# Allegro board A733_PRO2_AXP318_LPDDR4_4X_200BALL_32X1_V1_1.brd (continued)
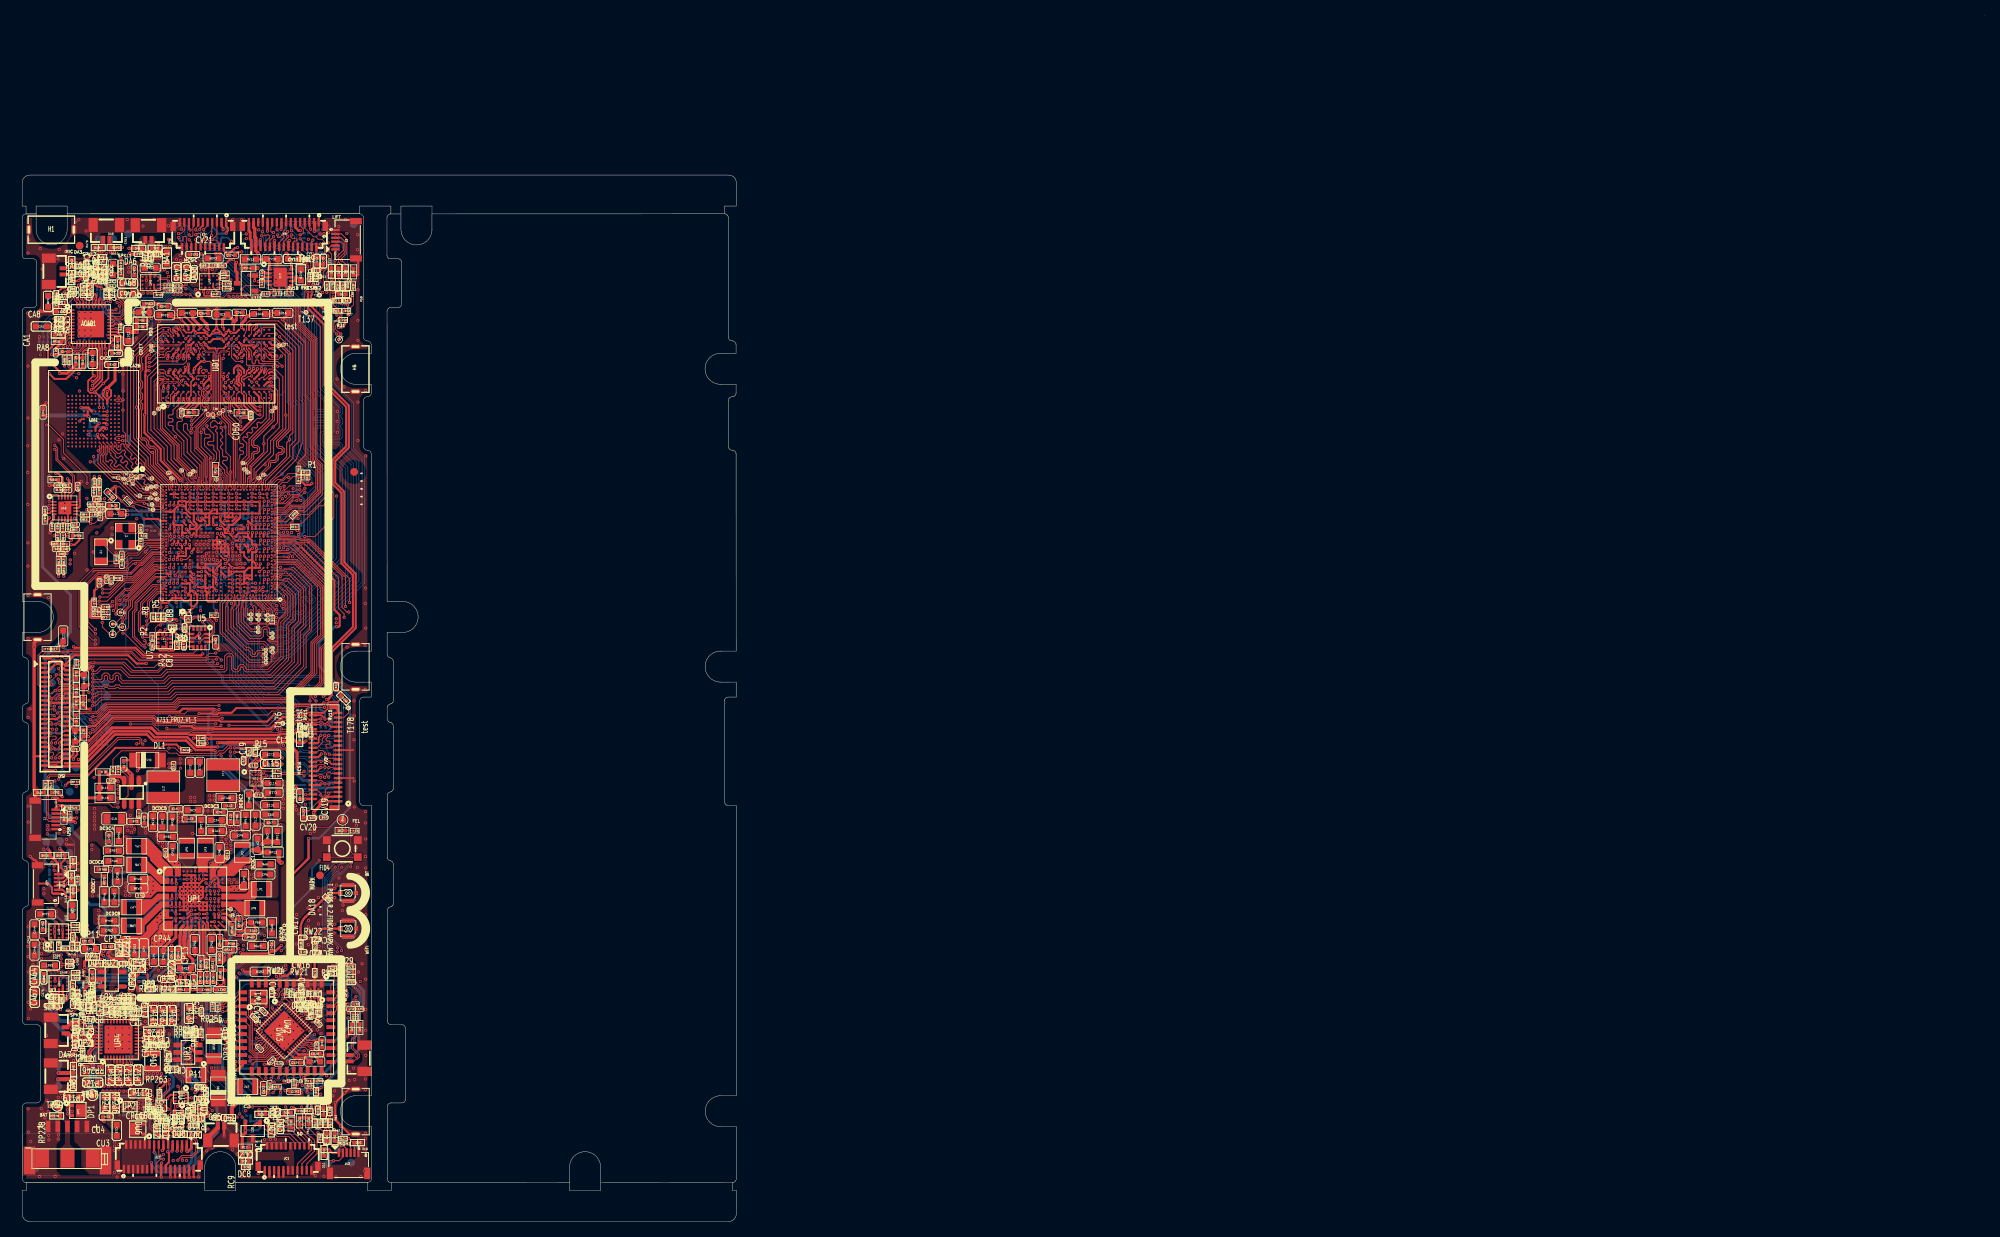
[diagram p0: board, top side]
## Routing (per net, layer and track width the routed paths; a pad name or vN(x,y) marks a point on that pad's centre or on a via; arc(x,y) is an arc through that point) (continued)
SDQ22: length 20.6
  TOP w0.076: 29.5,95.46 29.46,95.42 29.46,95.05 29.61,94.9 29.61,94.64 U1.AT9
  TOP w0.114: 29.5,95.46 29.89,95.85 29.89,97.08 32.02,99.21 32.02,100.69 33.6,102.27 33.6,108.98 32.61,109.97 31.85,109.97 31.53,109.65 31.53,109.35 31.09,108.91 30.89,108.91 30.63,108.65 UD1.Y4
SDQ23: length 21.8
  TOP w0.114: v1(28.63,92.45) 28.72,92.35 U1.1AC6 ; UD1.U4 29.13,108.99 v1(29.58,109.09)
  L4 w0.114: v1(29.58,109.09) 30.6,109.09 31.5,108.2 32.48,106.78 32.48,103.53 32.77,102.63 32.77,101.95 32.42,101.6 32.42,98.72 31.89,97.76 31,96.87 30.79,96.87 29.91,95.99 29.91,95.83 29.44,95.36 29.44,94.79 28.96,94.31 28.96,92.78 v1(28.63,92.45)
SDQ24: length 28.1
  TOP w0.114: U1.1AE4 30.02,93.46 v1(29.63,93.46) ; UD1.Y9 30.83,112.37 30.83,111.59 30.82,111.58 30.82,111.19 31.04,110.96 32.9,110.96 v1(33.52,110.34)
  L4 w0.076: v1(29.63,93.46) 29.97,93.8 29.97,94.15 30.61,94.79 30.61,95.26 30.88,95.53
  L4 w0.114: v1(33.52,110.34) 33.66,110.34 34.43,109.57 34.43,109.3 34.37,109.24 34.16,109.24 34.03,109.11 34.03,108.91 34.16,108.78 34.37,108.78 34.5,108.66 34.5,108.45 34.37,108.33 34.16,108.33 34.03,108.2 34.03,108 34.16,107.87 34.37,107.87 34.5,107.74 34.5,107.54 34.37,107.41 34.16,107.41 34.03,107.28 34.03,107.08 34.16,106.95 34.37,106.95 34.5,106.83 34.5,106.62 34.37,106.5 34.16,106.5 34.03,106.37 34.03,106.17 34.16,106.04 34.37,106.04 34.5,105.91 34.5,105.71 34.37,105.58 34.16,105.58 34.03,105.46 34.03,105.25 34.16,105.13 34.37,105.13 34.5,105 34.5,101.59 33.87,100.95 33.87,97.94 31.45,95.53 30.88,95.53
SDQ25: length 25.3
  TOP w0.114: UD1.V9 29.54,112.37 29.54,111.75 29.64,111.65 29.64,110.84 29.79,110.69 29.94,110.69 30.06,110.8 30.06,111.05 30.17,111.17 30.4,111.17 30.51,111.05 30.51,110.8 30.63,110.69 32.62,110.69 v1(32.96,110.34) ; v1(29.63,93.97) 29.74,93.85 U1.1AF4
  L4 w0.114: v1(29.63,93.97) 29.63,94.19 30.39,94.95 30.39,95.42 30.85,95.88 31.2,95.88 33.41,98.08 33.41,101.1 33.71,101.41 33.71,103.59 33.57,103.74 33.57,109.71 33.1,110.17 33.1,110.2 v1(32.96,110.34)
SDQ26: length 27.4
  TOP w0.114: U1.1AB6 28.71,91.85 v1(28.63,91.94) ; v1(32.39,110.33) 32.32,110.41 29.11,110.41 28.93,110.58 28.93,112.18 28.6,112.51 UD1.U9
  L4 w0.114: v1(32.39,110.33) 32.39,110.17 33.15,109.41 33.15,103.24 33.19,103.19 33.19,101.69 32.9,101.4 32.9,98.17 31.21,96.48 30.97,96.48 30.13,95.64 30.13,95.08 29.27,94.21 29.27,92.07 29.14,91.94 v1(28.63,91.94)
SDQ27: length 26.9
  TOP w0.114: UD1.AA9 31.34,112.52 31.43,112.52 31.79,112.16 32.33,112.16 v1(32.83,111.67) ; v1(29.62,92.41) 29.71,92.33 30.1,92.33 U1.1AC4
  L4 w0.114: v1(32.83,111.67) 33.08,111.41 33.08,111.28 33,111.2 32.47,111.2 32.35,111.08 32.35,110.86 32.44,110.77 33.82,110.77 35.07,109.52 35.07,100.58 34.32,99.83 34.32,97.8 31.26,94.74 30.92,94.74 30.25,94.07 30.25,93.04 v1(29.62,92.41)
SDQ28: length 29
  TOP w0.114: UD1.V11 29.56,114.57 29.56,115.28 30.14,115.86 32.75,115.86 35.69,112.91 35.69,100.66 34.92,99.88 34.92,98.49 31.66,95.22 31.66,94.68 U1.AT4
SDQ29: length 26.1
  TOP w0.114: UD1.Y11 30.89,114.59 30.89,115.16 31.11,115.38 32.57,115.38 35.28,112.68 35.28,100.85 34.5,100.07 34.5,98.69 31.37,95.56 U1.AU4
SDQ30: length 27.2
  TOP w0.114: v1(30.63,93.46) 30.73,93.35 U1.1AE2 ; UD1.AA11 31.52,114.57 32.67,114.57 v1(32.74,114.51)
  L4 w0.114: v1(32.74,114.51) 32.74,113.91 35.96,110.69 35.96,99.9 35.22,99.16 35.22,97.51 33.93,96.21 33.92,96.21 31.91,94.2 31.37,94.2 v1(30.63,93.46)
SDQ31: length 30.7
  TOP w0.114: U1.AT3 31.91,94.78 31.91,95.11 32.71,95.91 33.27,96.25 35.31,98.29 36.11,100.43 36.11,113.15 33.06,116.2 29.36,116.2 29.23,116.16 28.93,115.86 28.93,115 UD1.U11
SDQM0: length 26.5
  TOP w0.114: UD1.C10 19.5,113.87 19.18,114.19 19.18,114.41 18.8,114.78 17.95,114.78 17.2,114.39 14.38,111.57 14.38,101.04 16.54,98.88 16.54,97.65 19.09,95.1 19.09,94.68 U1.AT34
SDQM1: length 17
  TOP w0.102: v1(19.77,107.44) 19.74,107.47 19.74,107.61 UD1.C3
  TOP w0.114: U1.1AF20 21.76,93.85 v1(21.63,93.99)
  L4 w0.114: v1(21.63,93.99) 21.63,94.26 20.82,95.06 20.82,96.27 17.87,99.21 17.87,105.72 19.59,107.44 v1(19.77,107.44)
SDQM2: length 19.1
  TOP w0.114: UD1.Y3 30.24,108.17 v1(30.24,108.3) ; U1.1AC8 27.72,92.35 v1(27.63,92.45)
  L4 w0.114: v1(30.24,108.3) 30.59,107.95 30.59,106.9 31.56,105.92 31.56,102.16 31.57,102.15 31.57,99.02 29.27,96.72 29.27,96.5 28.88,96.11 28.88,95.05 28.31,94.47 28.31,93.72 28,93.41 28,92.82 v1(27.63,92.45)
SDQM3: length 26
  TOP w0.114: v1(30.63,93.97) 30.74,93.85 U1.1AF2 ; v1(33.42,111.66) 33,111.24 31.9,111.24 31.47,111.68 31.47,112.01 30.82,112.66 30.82,113.19 UD1.Y10
  L4 w0.114: v1(30.63,93.97) 31.16,94.5 31.62,94.5 34.8,97.69 34.8,99.45 35.54,100.19 35.54,109.77 33.93,111.38 33.7,111.38 v1(33.42,111.66)
SDQS0N: length 27.1
  TOP w0.076: UD1.E10 20.63,113.45 20.55,113.38 20.55,113.24 20.28,112.97 17.32,112.97 17.27,112.91 17.25,112.91 ; 19.94,95.38 19.95,95.37 19.95,95.3 20.33,94.92 20.33,94.65 U1.AT31
  TOP w0.127: 16.6,112.44 17.07,112.91 17.25,112.91 ; 16.6,112.44 T14.1 ; 16.6,112.44 16.5,112.34 16.26,112.34 15.39,111.47 15.39,110.81 15.55,110.65 15.55,109.92 15.29,109.65 15.29,108.53 15.53,108.29 15.53,107.63 15.29,107.39 15.29,107.01 15.53,106.77 15.53,106.11 15.29,105.86 15.29,105.71 15.54,105.46 15.54,104.82 15.39,104.67 15.39,101.23 15.53,101.09 15.88,101.09 16.31,100.66 16.31,100.28 16.57,100.02 17.01,100.02 17.47,99.57 17.47,97.84 18.78,96.53 ; T11.1 18.78,96.53 ; 18.78,96.53 18.98,96.33 19.27,96.33 19.9,95.7 19.9,95.41 19.94,95.38
SDQS0P: length 27.3
  TOP w0.076: 17.25,113.17 17.27,113.17 17.32,113.12 20.22,113.12 20.4,113.3 20.4,113.38 20.32,113.45 UD1.D10 ; 19.76,95.2 19.77,95.19 19.84,95.19 20.17,94.86 U1.AT32
  TOP w0.127: T15.1 19.28,95.95 19.3,95.95 ; 19.3,95.95 19.65,95.59 19.65,95.31 19.76,95.2 ; 19.3,95.95 19.17,96.07 18.88,96.07 17.22,97.73 17.22,99.46 16.91,99.77 16.46,99.77 16.06,100.17 16.06,100.55 15.78,100.84 15.42,100.84 15.13,101.13 15.13,104.78 15.29,104.93 15.29,105.35 15.03,105.61 15.03,105.97 15.27,106.21 15.27,106.66 15.03,106.9 15.03,107.49 15.27,107.74 15.27,108.18 15.03,108.43 15.03,109.76 15.3,110.02 15.3,110.54 15.13,110.7 15.13,111.57 16.16,112.6 16.39,112.6 16.69,112.9 ; T18.1 16.69,112.9 ; 16.69,112.9 16.96,113.17 17.25,113.17
SDQS1N: length 19
  TOP w0.076: 17.48,107.46 17.48,107.48 17.53,107.53 17.53,107.85 18.04,108.35 20.16,108.35 20.56,107.96 UD1.E3 ; 21.7,96.21 21.7,96.19 21.75,96.14 21.75,95.87 22.27,95.35 22.27,94.9 U1.AU27
  TOP w0.127: T9.1 17.68,104.93 ; 17.68,104.93 17.83,104.78 17.83,102.27 19.97,100.12 19.97,98.41 21.7,96.68 21.7,96.42 ; 17.68,104.93 17.48,105.13 17.48,107.46 ; 21.7,96.21 21.7,96.42 ; 21.7,96.42 T12.1
SDQS1P: length 19
  TOP w0.076: U1.AT27 22.42,94.65 22.42,95.41 21.9,95.94 21.9,96.14 21.95,96.19 21.95,96.21 ; 17.74,107.46 17.74,107.48 17.69,107.53 17.69,107.78 18.1,108.2 18.22,108.2 18.32,108.11 18.53,108.11 18.62,108.2 18.83,108.2 18.93,108.11 19.14,108.11 19.23,108.2 19.44,108.2 19.53,108.11 19.75,108.11 19.84,108.2 20.1,108.2 20.26,108.03 20.26,107.97 UD1.D3
  TOP w0.127: 21.95,96.79 21.97,96.77 T16.1 ; 21.95,96.79 21.95,96.21 ; 21.95,96.79 20.23,98.51 20.23,100.23 18.08,102.37 18.08,104.89 17.94,105.03 ; 17.74,107.46 17.74,105.23 17.94,105.03 ; T13.1 17.94,105.03
SDQS2N: length 19.1
  TOP w0.076: UD1.V3 29.3,107.85 29.58,107.58 29.58,107.53 29.73,107.38 31.92,107.38 32.22,107.08 32.37,107.08 32.44,107 32.44,106.89 32.39,106.84 32.39,106.82 ; 28.53,95.41 28.53,95.39 28.58,95.34 28.58,94.41 U1.AT11
  TOP w0.127: 28.53,95.41 28.53,96.73 28.75,96.95 ; 32.27,104.56 32.27,105.65 32.39,105.78 32.39,106.82 ; 32.27,104.56 32.27,103.5 29.6,100.83 29.6,100.14 29.87,99.86 30.22,99.86 30.35,99.74 30.35,99.48 30.22,99.35 29.87,99.35 29.6,99.08 29.6,98.55 28.82,97.78 28.82,97.02 28.75,96.95 ; 32.27,104.56 32.26,104.56 T4.1 ; T23.1 28.75,96.95
SDQS2P: length 19.2
  TOP w0.076: U1.AT10 28.74,94.64 28.74,95.34 28.79,95.39 28.79,95.41 ; UD1.W3 29.84,107.85 29.73,107.75 29.73,107.59 29.79,107.53 31.99,107.53 32.28,107.23 32.43,107.23 32.6,107.07 32.6,106.89 32.65,106.84 32.65,106.82
  TOP w0.127: 28.94,96.78 29.08,96.91 29.08,97.67 29.85,98.45 29.85,98.97 29.98,99.1 30.33,99.1 30.6,99.38 30.6,99.84 30.33,100.12 29.98,100.12 29.85,100.24 29.85,100.72 32.52,103.39 32.52,104.99 ; 28.94,96.78 29.06,96.66 T40.1 ; 28.94,96.78 28.79,96.62 28.79,95.41 ; 32.52,104.99 32.52,105.55 32.65,105.68 32.65,106.82 ; 32.52,104.99 32.53,105 T6.1
SDQS3N: length 27
  TOP w0.076: UD1.V10 29.25,113.45 29.71,113.91 32.05,113.91 32.1,113.96 32.12,113.96 ; U1.AU7 30.17,94.93 30.46,95.21 30.53,95.21 30.55,95.23
  TOP w0.127: 31.01,96.42 30.84,96.25 30.84,95.52 30.55,95.23 ; 31.01,96.42 T24.1 ; 31.01,96.42 32.02,97.43 32.02,97.83 32.13,97.94 32.67,97.94 33.01,98.28 33.01,98.82 33.17,98.98 33.5,98.98 33.78,99.25 33.78,99.72 33.5,99.99 33.17,99.99 33.04,100.12 33.04,100.57 34.63,102.15 34.63,112 33.58,113.05 ; 33.58,113.05 33.65,113.12 T21.1 ; 33.58,113.05 32.67,113.96 32.12,113.96
SDQS3P: length 27
  TOP w0.076: UD1.W10 29.87,113.42 29.67,113.42 29.6,113.49 29.6,113.58 29.77,113.76 32.05,113.76 32.1,113.71 32.12,113.71 ; 30.37,95.41 30.36,95.39 30.36,95.32 29.94,94.9 29.94,94.64 U1.AT7
  TOP w0.127: 33.17,113.1 33.1,113.02 T25.1 ; 33.17,113.1 34.37,111.9 34.37,102.26 32.79,100.67 32.79,100.01 33.06,99.74 33.4,99.74 33.52,99.61 33.52,99.36 33.4,99.23 33.06,99.23 32.76,98.93 32.76,98.39 32.56,98.19 32.02,98.19 31.77,97.94 31.77,97.53 30.59,96.35 30.59,95.92 ; 33.17,113.1 32.56,113.71 32.12,113.71 ; 30.59,95.92 T37.1 ; 30.59,95.92 30.59,95.63 30.37,95.41
SPKL1+: length 33.6
  TOP w0.381: CA95.1 v1(9.96,96.1)
  L3 w0.508: v1(16.59,125.11) 16.56,125.07 16.56,124.94 16.56,124.94 16.56,123.66 15.05,122.15 15.05,121.51 14.26,120.73 14.26,118.05 13.83,117.62 13.83,113.35 11.97,111.49 11.97,108.51 12.24,108.24 12.24,101.7 11.44,100.9 11.44,98.81 9.96,97.32 v1(9.96,96.1)
  BOTTOM w0.305: TP21.1 16.63,125.14 v1(16.59,125.11)
SPKL1-: length 34
  TOP w0.381: CA98.1 v1(9.31,96.1)
  L3 w0.508: v1(9.31,96.1) 9.31,97.67 10.72,99.08 10.72,101.15 11.54,101.97 11.54,108.06 11.34,108.26 11.34,111.81 13.22,113.69 13.22,118.08 13.63,118.5 13.63,121.06 14.36,121.78 14.36,123.79 15.77,125.2 v1(15.95,125.2)
  BOTTOM w0.305: v1(15.95,125.2) 15.36,125.78 TP23.1
SPKL2+: length 1.3
  BOTTOM w0.305: 11.45,125.58 11.45,126.53 TP26.1
  vias: v1(11.4,125.08) v1(11.91,125.07)
SPKL2-: length 1.4
  BOTTOM w0.305: 10.36,125.55 10.36,126.28 TP28.1
  vias: v1(9.75,125.03) v1(10.26,125.13)
SPKR1+: length 70.7
  TOP w0.305: CA85.1 5.36,83.26 v1(5.37,83.24)
  TOP w0.508: v1(4.68,19.16) JA4.1 6.56,19.16 DA7.2
  L4 w0.381: v1(4.68,19.16) 4.68,25.23 2.5,27.41 v1(2.5,33.91) 2.68,33.91 3.01,34.24 3.01,36.74 2.28,37.46 2.28,73.26 5.46,76.44 5.46,80.79 5.37,80.88 v1(5.37,83.24)
  BOTTOM w0.508: TP22.1 4.71,19.19 v1(4.68,19.16)
SPKR1-: length 71.6
  TOP w0.305: CA88.1 v1(4.7,83.26)
  TOP w0.508: DA8.2 6.44,18.36 JA4.2 v1(4.62,18.36)
  L4 w0.381: v1(4.62,18.36) 4.18,18.8 4.18,25.02 2,27.2 2,34.33 2.22,34.54 v1(2.5,34.54) 1.8,35.24 1.8,73.46 4.95,76.62 4.95,80.62 4.7,80.87 v1(4.7,83.26)
  BOTTOM w0.508: TP24.1 4.66,18.32 v1(4.62,18.36)
SPKR2+: length 7.7
  TOP w0.305: RA52.2 4.4,27.93 4.39,27.93 CA76.1 4.39,27.38 v1(4.38,27.37)
  TOP w0.508: v1(7.55,25.68) DA11.2 6.38,25.68 5.76,25.06 JA6.1
  BOTTOM w0.508: v1(7.55,25.68) 7.36,25.87 TP25.1 4.99,25.87 4.38,26.48 v1(4.38,27.37)
SPKR2-: length 9.6
  TOP w0.305: v1(3.74,27.37) 3.75,27.38 CA75.1 3.75,28.43 3.75,28.44 RA56.2
  TOP w0.508: v1(7.64,23.73) DA12.2 6.47,23.73 5.94,24.26 JA6.2
  BOTTOM w0.508: v1(3.74,27.37) 3.76,27.35 3.76,26.05 6.16,23.66 TP27.1 7.57,23.66 v1(7.64,23.73)
SPOLN: length 34.3
  TOP w0.102: UA1.12 7.46,112.82 7.26,112.61 6.55,112.61 6.17,112.99 6.17,113.01 6.09,113.09 v1(6.09,113.36)
  TOP w0.114: CA70.2 20.92,120.76 v1(21.12,120.96)
  BOTTOM w0.114: CA47.2 24.61,119.26 22.82,119.26 21.45,120.63 21.45,120.63 v1(21.12,120.96) 20.92,120.76 19.62,120.76 18.08,119.23 13.99,119.23 9.99,123.23 8.02,123.23 6.15,121.36 6.15,113.5 6.13,113.48 6.13,113.4 v1(6.09,113.36)
SPOLP: length 33
  TOP w0.102: v1(6.6,113.38) 6.51,113.3 6.51,112.93 6.64,112.81 6.99,112.81 7.06,112.88 UA1.11
  TOP w0.114: v1(21.12,120.35) 20.92,120.55 20.73,120.55 CA72.2
  BOTTOM w0.114: v1(6.6,113.38) 6.6,113.42 6.37,113.65 6.37,121.27 8.11,123.01 9.9,123.01 13.9,119.01 18.17,119.01 19.71,120.55 20.92,120.55 v1(21.12,120.35) 21.18,120.41 21.36,120.41 22.73,119.05 25,119.05 CA49.2
SPORN: length 100.1
  TOP w0.102: v1(5,32.87) 5.19,33.06 5.74,33.06 CA48.2 ; v1(5.98,26.73) 6.15,26.9 6.58,26.9 6.94,27.26 6.94,27.58 CA69.2 ; v1(5.81,112.86) 5.74,112.94 5.74,113.64 6.08,113.98 UA1.10
  L3 w0.102: v1(5.98,26.73) 5.98,26.73 5.98,26.7 5.77,26.91 5.49,26.91 5.32,27.09 5.32,32.59 5.04,32.87 v1(5,32.87) 4.86,33.01 4.57,33.01 4.43,33.15 4.43,33.64 4.42,33.66 4.42,36.88 4.43,36.89 4.43,36.89 4.54,37.01 4.54,38.26 4.8,38.52 4.8,38.53 4.82,38.56 4.82,40.98 4.7,41.1 4.7,46.39 3.72,47.37 3.72,48.21 2.64,49.29 2.64,49.45 2.65,49.46 2.65,73.02 6.09,76.47 6.09,83.64 5.35,84.38 5.35,85 5.56,85.2 6.05,85.2 v1(6.2,85.36)
  L4 w0.102: v1(5.81,112.86) 5.65,112.71 5.65,112.37 6.92,111.11 6.92,110.1 3.96,107.14 3.96,102.07 2.29,100.41 2.29,89.11 3.26,88.14 3.95,88.14 4.49,87.59 4.49,86.38 5.62,85.25 6.1,85.25 v1(6.2,85.36)
SPORP: length 99.9
  TOP w0.102: CA71.2 6.73,27.58 6.73,27.34 6.5,27.11 6.13,27.11 v1(5.96,27.28) ; UA1.9 5.98,114.38 5.78,114.18 5.78,113.97 5.53,113.72 5.53,113.22 5.29,112.98 v1(5.29,112.86) ; CA50.2 5.59,33.26 5.13,33.26 v1(5.01,33.38)
  L3 w0.102: v1(5.96,27.28) 5.79,27.11 5.58,27.11 5.52,27.17 5.52,32.87 v1(5.01,33.38) 4.94,33.45 4.71,33.45 4.63,33.52 4.63,33.73 4.62,33.74 4.62,36.8 4.74,36.92 4.74,38.18 5,38.44 5,38.44 5.03,38.47 5.03,41.06 4.9,41.19 4.9,46.48 3.92,47.46 3.92,48.3 2.85,49.37 2.85,72.94 6.29,76.38 6.29,83.73 5.56,84.46 5.56,84.91 5.64,85 6.03,85 v1(6.18,84.85)
  L4 w0.102: v1(5.29,112.86) 5.45,112.71 5.45,112.29 6.71,111.03 6.71,110.18 3.75,107.22 3.75,102.15 2.09,100.49 2.09,89.02 3.18,87.94 3.86,87.94 4.29,87.51 4.29,86.3 5.54,85.05 6.01,85.05 6.17,84.89 6.17,84.85 6.17,84.85 v1(6.18,84.85)
SRST: length 26
  TOP w0.102: v1(27.61,113.84) 27.61,113.91 UD1.T11
  TOP w0.114: v1(25.63,92.44) 25.71,92.35 U1.1AC12
  L4 w0.076: 25.3,94.63 25.3,92.77 v1(25.63,92.44)
  L4 w0.114: v1(27.61,113.84) 27.18,114.27 25.57,114.27 25.33,114.03 25.33,113.16 25.45,113.03 25.45,103.84 25.13,103.52 25.13,101.26 24.8,100.92 24.8,99.24 25.02,99.02 25.02,97.66 24.89,97.53 24.89,96.18 25.14,95.93 25.14,94.78 25.3,94.63
SWOUT1: length 50.7
  TOP w0.203: 8.55,62.58 8.39,62.74 8.39,63.74 8.52,63.87 8.58,63.87 8.62,63.91 v1(8.73,63.91)
  TOP w0.254: JL1.43 3.25,59.43 3.44,59.24 4.86,59.24 5.35,59.73 JL1.42 6.06,59.73 6.59,60.26 CL19.1 6.59,61.66 CL20.2 7.25,61.91 DL7.2 8.55,62.58 v1(8.55,62.57) ; v1(8.73,63.91) 9.37,63.91 11.25,65.78 20.34,65.78 20.72,66.17 24.67,66.17 24.76,66.08 24.85,66.08 v1(24.86,66.06)
  BOTTOM w0.254: RL21.1 7.05,65.39 RL43.1 7.71,64.72 7.71,64.6 8.41,63.91 v1(8.73,63.91)
  BOTTOM w0.305: v1(24.86,66.06) 24.01,65.22 24.01,62.88 24.42,62.47 24.42,59.75 32.95,51.22 v1(33.32,51.22) ; v1(8.55,62.57) 7.87,62.57 7.64,62.8 RL20.1 7.24,63.55 RL19.1
SWOUT2: length 259.4
  TOP w0.203: v1(17.33,15.84) 17.33,15.57 UP5.A3
  TOP w0.254: 8.46,103.99 v1(8.59,103.86) ; 8.46,103.99 8.44,104.01 UM1.J10 ; 8.46,103.99 UM1.K9 ; UM1.F5 10.66,102.31 10.66,102.31 ; UU2.C1 22.1,14.87 CU6.2 22.04,15.19 v1(21.89,15.34) ; UU3.1 20.64,17.08 v1(20.66,17.09) ; R31.1 41.65,115.78 41.21,115.34 v1(40.77,115.34) ; RU15.2 v1(17.58,12.94) ; UM1.E6 10.1,102.16 10.1,102.16 10.32,102.37 10.6,102.37 10.66,102.31 ; 10.87,102.3 v1(10.88,102.3) ; 10.87,102.3 10.85,102.3 10.84,102.31 ; 10.87,102.3 10.85,102.31 10.84,102.31 ; 10.84,102.31 10.66,102.31
  TOP w0.305: CU5.2 22.58,16.91 v1(22.3,16.62) ; RU14.2 v1(21.4,12.75)
  TOP w0.381: v1(3.21,104) 3.2,103.99 CM4.1
  TOP w0.406: RC2.1 28.38,11.04 28.77,11.43 v1(28.77,11.78) QC1.2
  TOP w0.508: v1(33.5,46.3) 33.33,46.3 33.07,46.57 RP13.2 ; v1(12.05,36.41) 12.48,35.98 RP28.1
  L3 w0.254: v1(13.3,123.63) 12.81,123.14 12.81,120.31 11.81,119.3 11.81,118.25 11.48,117.92 11.48,113.94 10.14,112.61 10.14,110.8 8.45,109.1 8.45,104 v1(8.59,103.86) ; v1(35.58,90.7) 35.5,90.63 35.25,90.63 35.02,90.86 35.02,93.35 35.34,93.67 35.34,95.13 37.9,97.7 37.9,115.45 33.92,119.44 30.96,119.44 29.22,121.18 v1(29.22,122.1)
  L3 w0.508: v1(12.05,36.41) 12.05,35.68 13.04,34.68 20.36,34.68 v1(21.32,33.73) 21.41,33.82 23.85,33.82 24.25,33.41 29.6,33.41 31.8,35.61 31.8,37.71 32.28,38.19 32.28,41.63 33.5,42.85 v1(33.5,46.3)
  L4 w0.254: v1(40.77,115.34) 40.15,115.96 40.15,117.72 40.55,118.11 40.55,120.03 39.09,121.49 36.61,121.49 36.6,121.47 33.41,121.47 32.94,121.94 29.37,121.94 v1(29.22,122.1) 28.56,122.1 26.75,123.9 26.75,125.02 25.76,126.01 19.43,126.01 19.2,126.24 18.49,126.24 18.19,126.53 16.47,126.53 13.57,123.63 v1(13.3,123.63)
  L4 w0.508: v1(21.32,33.73) 21.19,33.73 19.06,31.6 v1(19.06,30.49)
  BOTTOM w0.254: R30.1 34.47,90.71 R33.1 ; R30.1 34.92,90.63 TP34.1 35.84,89.71 R32.1 ; R30.1 35.58,90.71 v1(35.58,90.7) ; RC5.1 30.73,13.59 CC1.1 30.73,12.11 30.41,11.78 v1(28.77,11.78)
  BOTTOM w0.305: v1(8.59,103.86) 8.73,103.72 CM1.1 10.63,102.51 10.74,102.4 10.78,102.4 v1(10.88,102.3)
  BOTTOM w0.381: v1(12.05,36.41) 12.05,36.89 10.69,38.25 10.69,40.27 10.09,40.87 8.8,40.87 8.11,41.55 8.11,48.79 6.45,50.46 6.45,51.09 5.5,52.04 3.86,52.04 2.97,52.94 2.97,72.81 6.24,76.08 6.24,80.84 2.64,84.44 2.64,103.43 v1(3.21,104)
  BOTTOM w0.508: v1(22.3,16.62) 22.5,16.83 22.5,18.09 20.65,19.94 20.65,22.89 21.13,23.37 21.13,24.48 20.74,24.88 20.74,28.81 v1(19.06,30.49) ; v1(8.59,103.86) 8.45,104 v1(3.21,104)
TEST1: length 0.9
  TOP w0.102: v1(19.89,41.73) 19.82,41.8 UP1.G3
  BOTTOM w0.102: v1(19.89,41.73) 19.78,41.62 T60.1
TP-GPIO1: length 43.2
  TOP w0.102: v1(25.67,72.44) 25.67,72.45 25.21,72.91 24.02,72.91 23.66,72.55 15.12,72.55 14.13,73.54 6.03,73.54 5.85,73.37 2.95,73.37 2.27,72.7 2.27,71.82 2.66,71.43 JL1.3
  TOP w0.114: U1.1J1 31.62,85.71 v1(31.76,85.85)
  L4 w0.102: v1(25.67,72.44) 25.88,72.44 27.24,73.8 27.24,79.22 28.74,80.72 28.74,83.34 29.76,84.37 30.69,84.37 31.19,84.86 31.19,85.27 v1(31.76,85.85)
TP-GPIO2: length 39.5
  TOP w0.102: v1(5.13,72.91) 5.39,72.64 5.81,72.64 6.51,73.34 14.05,73.34 15.04,72.35 23.76,72.35 23.96,72.55 v1(25.06,72.55)
  TOP w0.114: U1.1J2 31.12,85.72 v1(31.26,85.85)
  L4 w0.102: v1(31.26,85.85) 30.65,85.24 30.12,85.24 29.75,84.87 29.75,84.7 28.46,83.4 28.46,80.75 26.96,79.25 26.96,73.86 25.89,72.8 25.52,72.8 25.28,72.55 v1(25.06,72.55)
  BOTTOM w0.102: v1(5.13,72.91) 4.97,72.76 RL48.1 4.35,72.36 RL47.2
TP-INT: length 64.1
  TOP w0.076: U1.N2 32.41,85.44 33.73,85.44 33.76,85.41
  TOP w0.097: v1(4.26,68.5) 4.79,69.03 6.1,69.03 6.12,69.05
  TOP w0.102: JL1.13 3.23,68.43 3.56,68.1 3.86,68.1 v1(4.26,68.5) ; 6.12,69.05 6.19,69.05 6.99,69.84 DL5.2 ; 33.76,85.41 35.47,85.41 38.91,81.96 38.91,75.52 37.99,74.6 37.99,70.74 34.18,66.93 20.35,66.93 19.69,66.27 11.03,66.27 9.46,64.69 8.85,64.69 v1(8.8,64.74)
  BOTTOM w0.102: v1(8.8,64.74) 8.72,64.74 8.31,65.15 8.1,65.15 6.79,66.46 TP65.1 6.22,66.92 6.22,68.06 6.09,68.18 5.03,68.18 5,68.15 4.62,68.15 v1(4.26,68.5) 3.98,68.22 RL36.1
TP-INT-SENSORHUB: length 2
  TOP w0.097: v1(4.72,71.35) 4.72,71.27 4.81,71.18 4.81,71.16 5.43,70.53 JL1.6
  BOTTOM w0.102: v1(4.72,71.35) 4.97,71.6 RL48.2
TP-RST: length 62.6
  TOP w0.102: v1(9.11,65.15) 9.62,65.15 10.94,66.47 19.6,66.47 20.26,67.13 34.09,67.13 37.68,70.73 37.68,74.58 38.71,75.61 38.71,81.87 35.38,85.2 U1.N1 ; DL6.2 6.64,69.05 6.29,68.71 5.73,68.71 JL1.12 5,68.73 v1(4.77,68.5)
  BOTTOM w0.102: v1(4.77,68.5) 4.85,68.58 RL37.1 5.43,68.54 6.34,68.54 TP64.1 6.89,67.54 7.6,66.83 7.6,66.36 8.81,65.15 v1(9.11,65.15) 9.99,64.27 9.99,63.38 10.95,62.42 RL38.2
TP-SPI-CLK: length 37.6
  TOP w0.102: v1(30.73,85.85) 30.62,85.74 U1.1J3 ; v1(24.61,72.19) 24.25,72.19 24.16,72.1 17.62,72.1 17.03,71.5 14.55,71.5 13.5,72.56 13.5,72.57 7.86,72.57 7.62,72.33 v1(7.56,72.33) 7.53,72.29 7.1,72.29 RL45.1
  L4 w0.102: v1(24.61,72.19) 24.61,72.68 24.9,72.97 25.16,72.97 25.27,73.09 25.69,73.09 26.65,74.05 26.65,80.32 26.89,80.56 27.36,80.56 27.76,80.95 27.76,83.49 27.96,83.69 28.44,83.69 29.53,84.78 29.53,85.16 29.9,85.53 30.42,85.53 v1(30.73,85.85)
  BOTTOM w0.102: RL26.1 7.56,72.54 v1(7.56,72.33)
TP-SPI-CLK-1: length 7.3
  TOP w0.102: v1(4.66,69.98) 4.67,69.96 4.67,69.45 4.88,69.24 5.24,69.24 5.33,69.33 JL1.10 5.9,69.33 6.45,69.88 6.45,71.48 6.65,71.68 RL45.2
  BOTTOM w0.102: TP62.1 6.78,69.67 5.74,69.67 5.43,69.98 v1(4.66,69.98)
TP-SPI-CS0: length 38.9
  TOP w0.102: v1(24.96,73.35) 24.9,73.29 24.11,73.29 23.58,72.76 15.46,72.76 14.47,73.75 5.94,73.75 5.76,73.57 4.34,73.57 4.24,73.67 4.24,73.69 RL27.1 3.38,73.87 RL44.1 ; U1.1J4 30.12,85.77 v1(30.23,85.87)
  L4 w0.102: v1(30.23,85.87) 29.79,85.87 29.2,85.29 29.2,84.79 28.35,83.95 27.86,83.95 27.46,83.55 27.46,81.05 27.26,80.85 26.68,80.85 26.37,80.54 26.37,74.24 25.48,73.35 v1(24.96,73.35)
TP-SPI-CS0-1: length 6.9
  TOP w0.097: RL44.2 2.04,73.04 2.04,69.28 2.28,69.03 JL1.11
  TOP w0.102: v1(3.8,69.32) 3.52,69.03 JL1.11
TP-SPI-MISO: length 41.2
  TOP w0.102: v1(25.67,71.63) 25.66,71.62 18.45,71.62 18.42,71.59 18.4,71.59 18.36,71.55 18.25,71.55 17.57,70.88 14.04,70.88 12.98,71.95 9.32,71.95 9.27,72 8.96,72 8.91,71.95 8.73,71.95 8.1,71.31 v1(7.56,71.31)
  TOP w0.114: v1(31.75,84.85) 31.61,84.71 31.61,84.37 U1.1G1
  L4 w0.102: v1(31.75,84.85) 31.75,84.84 30.91,84 30.91,83.64 29.73,82.46 29.73,81.02 27.71,79.01 27.71,73.66 v1(25.67,71.63) ; v1(5.65,73) 7.34,71.31 v1(7.56,71.31)
  BOTTOM w0.102: RL33.1 6.14,70.54 6.52,70.54 7.3,71.31 v1(7.56,71.31) ; RL31.1 6.14,72.51 v1(5.65,73) 5.33,73.31 RL24.1
TP-SPI-MISO-1: length 5.4
  TOP w0.097: JL1.9 3.63,69.63 4.39,70.4 v1(4.39,70.52)
  BOTTOM w0.097: 4.53,70.68 4.75,70.9 4.85,70.9 5.64,71.69 RL32.2
  BOTTOM w0.102: 4.53,70.68 4.53,70.66 v1(4.39,70.52) 3.83,71.08 TP61.1 ; RL32.2 RL31.2
TP-SPI-MOSI: length 36.1
  TOP w0.102: v1(25.2,71.98) 25.04,71.82 18.36,71.82 18.34,71.79 18.31,71.79 18.3,71.78 18.17,71.78 17.48,71.09 14.23,71.09 13.17,72.16 9.39,72.16 9.36,72.2 8.87,72.2 8.84,72.16 8.66,72.16 8.31,71.82 v1(7.5,71.82)
  TOP w0.114: U1.1G2 30.62,83.84 v1(30.58,83.84)
  L4 w0.102: v1(30.58,83.84) 30.58,83.79 29.46,82.67 29.46,81.08 27.46,79.09 27.46,73.73 25.72,71.98 v1(25.2,71.98)
  BOTTOM w0.102: v1(7.5,71.82) 7.49,71.82 7.47,71.8 7.3,71.8 6.97,71.48 RL25.1 6.67,71.68 6.65,71.68 6.52,71.8 RL32.1 6.14,71.19 RL30.1
TP-SPI-MOSI-1: length 5.2
  TOP w0.097: v1(4.9,70.55) 5.51,69.93 JL1.8
  BOTTOM w0.097: RL33.2 4.96,70.53 4.95,70.55 v1(4.9,70.55)
  BOTTOM w0.102: RL30.2 RL33.2 5.64,70.4 5.82,70.22 6.36,70.22 6.45,70.31 8.01,70.31 TP60.1
TS: length 54.8
  TOP w0.203: v1(9.39,23.29) UP4.36
  TOP w0.508: RP228.2 4.88,14.59 TP59.1 3.69,14.93 v1(3.62,14.86)
  L3 w0.381: v1(6.52,34.14) 6.56,34.1 6.56,25.95 5.9,25.28 5.9,24.65 7.35,23.2 9.3,23.2 v1(9.39,23.29)
  BOTTOM w0.254: 21.29,38.75 21.29,39.86 20.88,40.27 20.88,41.36 19.38,42.86 19.37,42.86 RP21.1
  BOTTOM w0.381: 21.29,38.75 20.58,38.05 20.58,35.99 19.59,35 15.43,35 14.76,34.34 14.76,33.18 14.39,32.81 14.38,32.81 13.89,32.32 13.53,32.32 12.63,33.22 9.98,33.22 8.86,34.34 6.84,34.34 6.63,34.14 v1(6.52,34.14) ; v1(9.39,23.29) 8.8,22.7 8.8,17.3 6.99,15.49 4.25,15.49 v1(3.62,14.86)
TWI0-SCK: length 146.8
  TOP w0.076: U1.AK1 32.67,92.1 32.96,92.1
  TOP w0.102: v1(35.94,93.03) 35.94,93.04 35.54,93.43 35.1,93.43 34.45,92.78 34.42,92.78 33.73,92.1 32.96,92.1
  TOP w0.114: RA94.1 7.32,38.04 8.28,38.04 8.39,38.16 8.39,38.16 v1(8.42,38.19) ; UA2.E4 v1(25.46,122.34) RA90.1 ; RA97.1 7.53,31.7 v1(8.01,31.7) ; UA5.E4 17.66,121.74 18.68,121.74 v1(18.87,121.93)
  L3 w0.114: v1(35.94,93.03) 35.94,91.93 36.27,91.6 36.27,89.9 37.01,89.16 37.01,77.01 35.25,75.26 35.25,70.98 34.03,69.76 34.03,64.5 34.82,63.71 34.82,59.84 34.1,59.12 34.1,57.76 33.27,56.93 33.27,51.87 30.54,49.14 30.54,44.12 27.05,40.63 27.05,37.27 26.64,36.87 25.54,36.87 25.2,36.54 20.48,36.54 19.44,37.58 17.2,37.58 15,35.37 13.22,35.37 12.57,36.02 12.57,36.67 12.09,37.15 10.94,37.15 10.5,37.59 9.99,37.59 v1(9.81,37.41)
  L4 w0.114: v1(35.94,93.03) 35.79,93.18 35.79,93.37 35.95,93.53 36.86,93.53 38.07,94.74 38.07,96.81 37.32,97.56 37.32,116.67 34.87,119.12 30.45,119.12 27.44,122.14 25.77,122.14 25.66,122.14 v1(25.46,122.34) 25.26,122.14 25.14,122.14 25.13,122.13 24.63,122.13 24.62,122.14 19.7,122.14 19.29,121.74 19.07,121.74 v1(18.87,121.93) ; v1(8.01,31.7) 8.1,31.7 8.5,32.1 8.5,36.72 8.06,37.16 8.06,37.83 8.27,38.05 8.28,38.05 v1(8.42,38.19)
  BOTTOM w0.114: v1(9.81,37.41) 9.46,37.41 9.18,37.14 8.44,37.14 8.06,37.53 8.06,37.83 8.41,38.19 v1(8.42,38.19)
TWI0-SDA: length 144.8
  TOP w0.076: 32.96,91.92 32.83,91.92 32.67,91.76 32.41,91.76 U1.AK2
  TOP w0.102: 32.96,91.92 33.81,91.92 34.49,92.6 34.52,92.6 34.9,92.98 35.37,92.98 v1(35.42,93.03)
  TOP w0.114: RA93.1 7.32,37.83 8.26,37.83 8.38,37.7 8.39,37.7 v1(8.42,37.68) ; v1(8.43,31.38) 8.16,31.12 7.46,31.12 RA96.1 ; RA91.1 v1(25.46,121.73) 25.24,121.51 UA2.E3 ; UA5.E3 17.67,121.52 18.68,121.52 v1(18.87,121.33)